# Altium PCB smart-ring-main.PcbDoc (part 2 of 6) (continued)
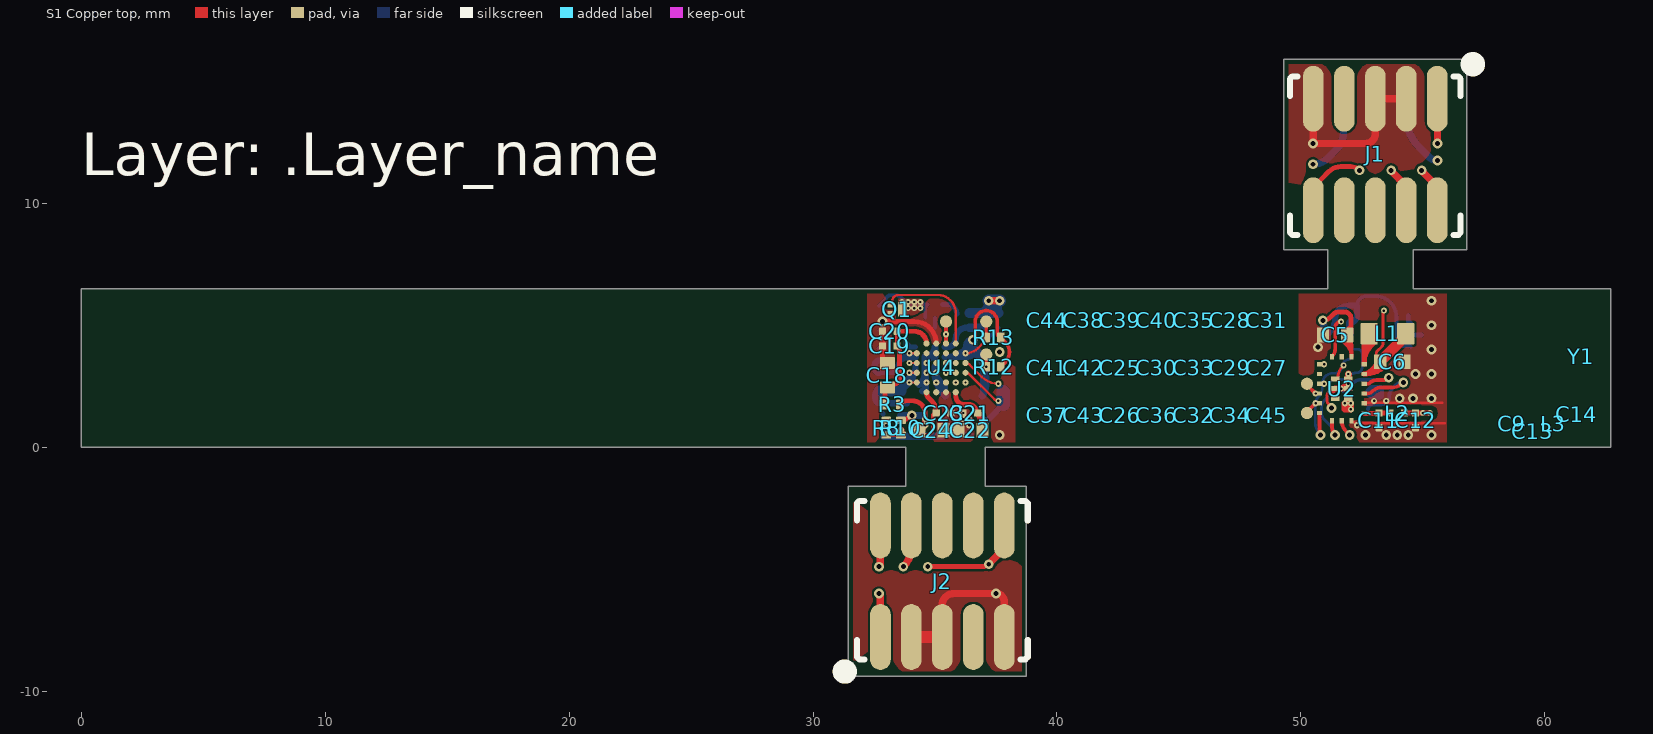
[diagram p0: S1 Copper top view]
## Nets (pads, with @x,y where several pads share a name; then routed paths per layer and width w, separated by ;. In a path a pad name is that pad's centre, name@x,y a point inside that pad or via, vN(x,y) a via of type N, cw(c..) or ccw(c..) an arc to the next point about the centre after c; other vN are vias at no path point) (continued)
; 14.199,4.5 14.399,4.7 ; 14.199,4.5 14.399,4.3 ; 14.199,5.3 14.399,5.1 ; 14.199,5.3 14.399,5.5 ; 14.199,5.7 14.399,5.5 ; 14.199,5.7 14.399,5.9 ; 14.4,0.7 14.6,0.9 ; 14.4,0.7 14.6,0.5 ; 14.4,1.1 14.6,0.9 ; 14.4,1.1 14.6,1.3 ; 14.4,1.5 14.6,1.7 ; 14.4,1.5 14.6,1.3 ; 14.399,1.9 14.599,2.1 ; 14.399,1.9 14.6,1.7 ; 14.399,2.3 14.599,2.1 ; 14.399,2.3 14.599,2.5 ; 14.399,2.7 14.599,2.9 ; 14.399,2.7 14.599,2.5 ; 14.399,3.1 14.599,2.9 ; 14.399,3.1 14.599,3.3 ; 14.399,3.5 14.599,3.7 ; 14.399,3.5 14.599,3.3 ; 14.399,3.9 14.599,4.1 ; 14.399,3.9 14.599,3.7 ; 14.399,4.3 14.599,4.5 ; 14.399,4.3 14.599,4.1 ; 14.399,4.7 14.599,4.5 ; 14.399,4.7 14.599,4.9 ; 14.399,5.1 14.599,5.3 ; 14.399,5.1 14.599,4.9 ; 14.399,5.5 14.599,5.7 ; 14.399,5.5 14.599,5.3 ; 14.399,5.9 14.599,5.7 ; 14.399,5.9 14.599,6.1 14.799,5.9 ; 14.6,0.5 14.8,0.7 ; 14.6,0.5 14.8,0.3 15,0.5 ; 14.6,0.9 14.8,1.1 ; 14.6,0.9 14.8,0.7 ; 14.6,1.3 14.8,1.1 ; 14.6,1.3 14.8,1.5 ; 14.6,1.7 14.8,1.9 ; 14.6,1.7 14.8,1.5 ; 14.599,2.1 14.799,2.3 ; 14.599,2.1 14.8,1.9 ; 14.599,2.5 14.799,2.7 ; 14.599,2.5 14.799,2.3 ; 14.599,2.9 14.799,3.1 ; 14.599,2.9 14.799,2.7 ; 14.599,3.3 14.799,3.1 ; 14.599,3.3 14.799,3.5 ; 14.599,3.7 14.799,3.9 ; 14.599,3.7 14.799,3.5 ; 14.599,4.1 14.799,3.9 ; 14.599,4.1 14.799,4.3 ; 14.599,4.5 14.799,4.3 ; 14.599,4.5 14.799,4.7 ; 14.599,4.9 14.8,5.1 ; 14.599,4.9 14.799,4.7 ; 14.599,5.3 14.799,5.5 ; 14.599,5.3 14.799,5.1 ; 14.599,5.7 14.799,5.5 ; 14.599,5.7 14.799,5.9 ; 14.8,0.7 15,0.9 ; 14.8,0.7 15,0.5 ; 14.8,1.1 15,0.9 ; 14.8,1.1 15,1.3 ; 14.8,1.5 15,1.7 ; 14.8,1.5 15,1.3 ; 14.8,1.9 15,2.1 ; 14.8,1.9 15,1.7 ; 14.799,2.3 14.999,2.5 ; 14.799,2.3 15,2.1 ; 14.799,2.7 14.999,2.9 ; 14.799,2.7 14.999,2.5 ; 14.799,3.1 14.999,3.3 ; 14.799,3.1 14.999,2.9 ; 14.799,3.5 14.999,3.7 ; 14.799,3.5 14.999,3.3 ; 14.799,3.9 14.999,4.1 ; 14.799,3.9 14.999,3.7 ; 14.799,4.3 14.999,4.1 ; 14.799,4.3 14.999,4.5 ; 14.799,4.7 14.999,4.5 ; 14.8,5.1 15,5.3 ; 14.8,5.5 15,5.3 ; 14.799,5.5 14.999,5.7 ; 14.799,5.9 14.999,5.7 ; 14.799,5.9 14.999,6.1 15.199,5.9 ; 15,0.5 15.2,0.7 ; 15,0.5 15.2,0.3 15.4,0.5 ; 15,0.9 15.2,1.1 ; 15,0.9 15.2,0.7 ; 15,1.3 15.2,1.1 ; 15,1.3 15.2,1.5 ; 15,1.7 15.2,1.9 ; 15,1.7 15.2,1.5 ; 15,2.1 15.2,2.3 ; 15,2.1 15.2,1.9 ; 14.999,2.5 15.2,2.3 ; 14.999,2.5 15.199,2.7 ; 14.999,2.9 15.199,3.1 ; 14.999,2.9 15.199,2.7 ; 14.999,3.3 15.199,3.5 ; 14.999,3.3 15.199,3.1 ; 14.999,3.7 15.199,3.9 ; 14.999,3.7 15.199,3.5 ; 14.999,4.1 15.199,4.3 ; 14.999,4.1 15.199,3.9 ; 14.999,4.5 15.199,4.3 ; 15,5.3 15.199,5.5 ; 14.999,5.7 15.199,5.5 ; 14.999,5.7 15.199,5.9 ; 15.2,0.7 15.4,0.9 ; 15.2,0.7 15.4,0.5 ; 15.2,1.1 15.4,0.9 ; 15.2,1.1 15.4,1.3 ; 15.2,1.5 15.4,1.7 ; 15.2,1.5 15.4,1.3 ; 15.2,1.9 15.4,2.1 ; 15.2,1.9 15.4,1.7 ; 15.2,2.3 15.4,2.5 ; 15.2,2.3 15.4,2.1 ; 15.199,2.7 15.4,2.5 ; 15.199,2.7 15.399,2.9 ; 15.199,3.1 15.399,2.9 ; 15.199,3.1 15.399,3.3 ; 15.199,3.5 15.399,3.7 ; 15.199,3.5 15.399,3.3 ; 15.199,3.9 15.399,4.1 ; 15.199,3.9 15.399,3.7 ; 15.199,4.3 15.399,4.1 ; 15.199,4.3 15.399,4.5 15.599,4.3 ; 15.199,5.5 15.399,5.7 ; 15.199,5.5 15.399,5.3 15.599,5.5 ; 15.199,5.9 15.399,5.7 ; 15.199,5.9 15.399,6.1 15.599,5.9 ; 15.4,0.5 15.6,0.7 ; 15.4,0.5 15.6,0.3 15.8,0.5 ; 15.4,0.9 15.6,1.1 ; 15.4,0.9 15.6,0.7 ; 15.4,1.3 15.6,1.1 ; 15.4,1.3 15.6,1.5 15.4,1.7 ; 15.4,1.7 15.6,1.9 ; 15.4,2.1 15.6,1.9 ; 15.4,2.1 15.6,2.3 ; 15.4,2.5 15.6,2.7 ; 15.4,2.5 15.6,2.3 ; 15.399,2.9 15.599,3.1 ; 15.399,2.9 15.6,2.7 ; 15.399,3.3 15.599,3.1 ; 15.399,3.3 15.599,3.5 ; 15.399,3.7 15.599,3.5 ; 15.399,3.7 15.599,3.9 ; 15.399,4.1 15.599,4.3 ; 15.399,4.1 15.599,3.9 ; 15.399,5.7 15.599,5.5 ; 15.399,5.7 15.599,5.9 ; 15.6,0.7 15.8,0.9 ; 15.6,0.7 15.8,0.5 ; 15.6,1.1 15.8,0.9 ; 15.6,1.9 15.8,2.1 ; 15.6,2.3 15.8,2.1 ; 15.6,2.3 15.8,2.5 ; 15.6,2.7 15.8,2.9 ; 15.6,2.7 15.8,2.5 ; 15.599,3.1 15.8,2.9 ; 15.599,3.1 15.799,3.3 ; 15.599,3.5 15.799,3.7 ; 15.599,3.5 15.799,3.3 ; 15.599,3.9 15.799,4.1 ; 15.599,3.9 15.799,3.7 ; 15.599,4.3 15.799,4.1 ; 15.599,4.3 15.799,4.5 ; 15.599,5.5 15.799,5.7 ; 15.599,5.5 15.799,5.3 ; 15.599,5.9 15.799,5.7 ; 15.599,5.9 15.799,6.1 15.999,5.9 ; 15.8,0.5 15.999,0.3 16.2,0.5 ; 15.8,0.5 16,0.7 ; 15.8,0.9 16,0.7 ; 15.8,2.1 16,1.9 16.2,2.1 ; 15.8,2.1 16,2.3 ; 15.8,2.5 16,2.3 ; 15.8,2.5 16,2.7 ; 15.8,2.9 16,3.1 ; 15.8,2.9 16,2.7 ; 15.799,3.3 16,3.1 ; 15.799,3.3 15.999,3.5 ; 15.799,3.7 15.999,3.9 ; 15.799,3.7 15.999,3.5 ; 15.799,4.1 15.999,4.3 ; 15.799,4.1 15.999,3.9 ; 15.799,4.5 15.999,4.3 ; 15.799,4.5 15.999,4.7 ; 15.799,5.3 15.999,5.1 ; 15.799,5.3 15.999,5.5 ; 15.799,5.7 15.999,5.5 ; 15.799,5.7 15.999,5.9 ; 16,0.7 16.2,0.5 ; 16,0.7 16.2,0.9 ; 16,2.3 16.2,2.1 ; 16,2.3 16.2,2.5 ; 16,2.7 16.2,2.9 ; 16,2.7 16.2,2.5 ; 16,3.1 16.2,2.9 ; 16,3.1 16.2,3.3 ; 16,3.5 16.2,3.7 ; 16,3.5 16.2,3.3 ; 16,3.9 16.2,4.1 ; 16,3.9 16.2,3.7 ; 16,4.3 16.2,4.1 ; 16,4.3 16.2,4.5 ; 15.999,4.7 15.799,4.9 15.999,5.1 ; 16,4.7 16.2,4.9 ; 16,4.7 16.2,4.5 ; 16,5.1 16.2,4.9 ; 16,5.1 16.2,5.3 ; 16,5.5 16.2,5.7 ; 16,5.5 16.2,5.3 ; 16,5.9 16.199,6.1 16.4,5.9 ; 16,5.9 16.2,5.7 ; 16.2,0.5 16.4,0.7 ; 16.2,0.5 16.4,0.3 16.6,0.5 ; 16.2,0.9 16.4,1.1 ; 16.2,0.9 16.4,0.7 ; 16.2,2.1 16.4,1.9 ; 16.2,2.1 16.4,2.3 ; 16.2,2.5 16.4,2.3 ; 16.2,2.5 16.4,2.7 ; 16.2,2.9 16.4,3.1 ; 16.2,2.9 16.4,2.7 ; 16.2,3.3 16.4,3.1 ; 16.2,3.3 16.4,3.5 ; 16.2,3.7 16.4,3.5 ; 16.2,3.7 16.4,3.9 ; 16.2,4.1 16.4,4.3 ; 16.2,4.1 16.4,3.9 ; 16.2,4.5 16.4,4.7 ; 16.2,4.5 16.4,4.3 ; 16.2,4.9 16.4,5.1 ; 16.2,4.9 16.4,4.7 ; 16.2,5.3 16.4,5.1 ; 16.2,5.3 16.4,5.5 ; 16.2,5.7 16.4,5.9 ; 16.2,5.7 16.4,5.5 ; 16.4,0.7 16.6,0.9 ; 16.4,0.7 16.6,0.5 ; 16.4,1.1 16.6,0.9 ; 16.4,1.1 16.6,1.3 ; 16.4,1.9 16.6,1.7 ; 16.4,1.9 16.6,2.1 ; 16.4,2.3 16.6,2.1 ; 16.4,2.3 16.6,2.5 ; 16.4,2.7 16.6,2.9 ; 16.4,2.7 16.6,2.5 ; 16.4,3.1 16.6,2.9 ; 16.4,3.1 16.6,3.3 ; 16.4,3.5 16.6,3.7 ; 16.4,3.5 16.6,3.3 ; 16.4,3.9 16.6,4.1 ; 16.4,3.9 16.6,3.7 ; 16.4,4.3 16.6,4.5 ; 16.4,4.3 16.6,4.1 ; 16.4,4.7 16.6,4.9 ; 16.4,4.7 16.6,4.5 ; 16.4,5.1 16.6,4.9 ; 16.4,5.1 16.6,5.3 ; 16.4,5.5 16.6,5.7 ; 16.4,5.5 16.6,5.3 ; 16.4,5.9 16.6,5.7 ; 16.4,5.9 16.6,6.1 16.8,5.9 ; 16.6,0.5 16.8,0.7 ; 16.6,0.5 16.8,0.3 17,0.5 ; 16.6,0.9 16.8,1.1 ; 16.6,0.9 16.8,0.7 ; 16.6,1.3 16.4,1.5 16.6,1.7 ; 16.6,1.3 16.8,1.1 ; 16.6,1.3 16.8,1.5 ; 16.6,1.7 16.8,1.9 ; 16.6,1.7 16.8,1.5 ; 16.6,2.1 16.8,1.9 ; 16.6,2.1 16.8,2.3 ; 16.6,2.5 16.8,2.7 ; 16.6,2.5 16.8,2.3 ; 16.6,2.9 16.8,3.1 ; 16.6,2.9 16.8,2.7 ; 16.6,3.3 16.8,3.1 ; 16.6,3.3 16.8,3.5 ; 16.6,3.7 16.8,3.9 ; 16.6,3.7 16.8,3.5 ; 16.6,4.1 16.8,3.9 ; 16.6,4.1 16.8,4.3 ; 16.6,4.5 16.8,4.7 ; 16.6,4.5 16.8,4.3 ; 16.6,4.9 16.8,5.1 ; 16.6,4.9 16.8,4.7 ; 16.6,5.3 16.8,5.1 ; 16.6,5.3 16.8,5.5 ; 16.6,5.7 16.8,5.5 ; 16.6,5.7 16.8,5.9 ; 16.8,0.7 17,0.9 ; 16.8,0.7 17,0.5 ; 16.8,1.1 17,0.9 ; 16.8,1.1 17,1.3 ; 16.8,1.5 17,1.7 ; 16.8,1.5 17,1.3 ; 16.8,1.9 17,2.1 ; 16.8,1.9 17,1.7 ; 16.8,2.3 17,2.5 ; 16.8,2.3 17,2.1 ; 16.8,2.7 17,2.9 ; 16.8,2.7 17,2.5 ; 16.8,3.1 17,2.9 ; 16.8,3.1 17,3.3 ; 16.8,3.5 17,3.7 ; 16.8,3.5 17,3.3 ; 16.8,3.9 17,4.1 ; 16.8,3.9 17,3.7 ; 16.8,4.3 17,4.1 ; 16.8,4.3 17,4.5 ; 16.8,4.7 17,4.9 16.8,5.1 ; 16.8,4.7 17,4.5 ; 16.8,5.1 17,5.3 ; 16.8,5.5 17,5.7 ; 16.8,5.5 17,5.3 ; 16.8,5.9 17,5.7 ; 16.8,5.9 17,6.1 17.2,5.9 ; 17,0.5 17.2,0.7 ; 17,0.5 17.2,0.3 17.4,0.5 ; 17,0.9 17.2,1.1 ; 17,0.9 17.2,0.7 ; 17,1.3 17.2,1.1 ; 17,1.3 17.2,1.5 ; 17,1.7 17.2,1.9 ; 17,1.7 17.2,1.5 ; 17,2.1 17.2,2.3 ; 17,2.1 17.2,1.9 ; 17,2.5 17.2,2.7 ; 17,2.5 17.2,2.3 ; 17,2.9 17.2,2.7 ; 17,2.9 17.2,3.1 ; 17,3.3 17.2,3.1 ; 17,3.3 17.2,3.5 ; 17,3.7 17.2,3.9 ; 17,3.7 17.2,3.5 ; 17,4.1 17.2,3.9 ; 17,4.1 17.2,4.3 ; 17,4.5 17.2,4.3 ; 17,5.3 17.2,5.5 ; 17,5.7 17.2,5.5 ; 17,5.7 17.2,5.9 ; 17.2,0.7 17.4,0.9 ; 17.2,0.7 17.4,0.5 ; 17.2,1.1 17.4,0.9 ; 17.2,1.1 17.4,1.3 ; 17.2,1.5 17.4,1.7 ; 17.2,1.5 17.4,1.3 ; 17.2,1.9 17.4,2.1 ; 17.2,1.9 17.4,1.7 ; 17.2,2.3 17.4,2.1 ; 17.2,2.3 17.4,2.5 ; 17.2,2.7 17.4,2.9 ; 17.2,2.7 17.4,2.5 ; 17.2,3.1 17.4,2.9 ; 17.2,3.1 17.4,3.3 ; 17.2,3.5 17.4,3.7 ; 17.2,3.5 17.4,3.3 ; 17.2,3.9 17.4,4.1 ; 17.2,3.9 17.4,3.7 ; 17.2,4.3 17.4,4.5 17.6,4.3 ; 17.2,4.3 17.4,4.1 ; 17.2,5.5 17.4,5.7 ; 17.2,5.5 17.4,5.3 17.6,5.5 ; 17.2,5.9 17.4,5.7 ; 17.2,5.9 17.4,6.1 17.6,5.9 ; 17.4,0.5 17.6,0.7 ; 17.4,0.5 17.6,0.3 17.8,0.5 ; 17.4,0.9 17.6,1.1 ; 17.4,0.9 17.6,0.7 ; 17.4,1.3 17.6,1.1 ; 17.4,1.3 17.6,1.5 ; 17.4,1.7 17.6,1.9 ; 17.4,1.7 17.6,1.5 ; 17.4,2.1 17.6,1.9 ; 17.4,2.1 17.6,2.3 ; 17.4,2.5 17.6,2.3 ; 17.4,2.5 17.6,2.7 ; 17.4,2.9 17.6,3.1 ; 17.4,2.9 17.6,2.7 ; 17.4,3.3 17.6,3.1 ; 17.4,3.3 17.6,3.5 ; 17.4,3.7 17.6,3.5 ; 17.4,3.7 17.6,3.9 ; 17.4,4.1 17.6,4.3 ; 17.4,4.1 17.6,3.9 ; 17.4,5.7 17.6,5.5 ; 17.4,5.7 17.6,5.9 ; 17.6,0.7 17.8,0.9 ; 17.6,0.7 17.8,0.5 ; 17.6,1.1 17.8,0.9 ; 17.6,1.1 17.8,1.3 ; 17.6,1.5 17.8,1.7 ; 17.6,1.5 17.8,1.3 ; 17.6,1.9 17.8,2.1 ; 17.6,1.9 17.8,1.7 ; 17.6,2.3 17.8,2.1 ; 17.6,2.3 17.8,2.5 ; 17.6,2.7 17.8,2.9 ; 17.6,2.7 17.8,2.5 ; 17.6,3.1 17.8,2.9 ; 17.6,3.1 17.8,3.3 ; 17.6,3.5 17.8,3.7 ; 17.6,3.5 17.8,3.3 ; 17.6,3.9 17.8,4.1 ; 17.6,3.9 17.8,3.7 ; 17.6,4.3 17.8,4.5 ; 17.6,4.3 17.8,4.1 ; 17.6,5.5 17.8,5.7 ; 17.6,5.5 17.8,5.3 ; 17.6,5.9 17.8,5.7 ; 17.6,5.9 17.8,6.1 18,5.9 ; 17.8,0.5 18,0.7 ; 17.8,0.5 18,0.3 18.2,0.5 ; 17.8,0.9 18,1.1 ; 17.8,0.9 18,0.7 ; 17.8,1.3 18,1.1 ; 17.8,1.3 18,1.5 ; 17.8,1.7 18,1.9 ; 17.8,1.7 18,1.5 ; 17.8,2.1 18,2.3 ; 17.8,2.1 18,1.9 ; 17.8,2.5 18,2.7 ; 17.8,2.5 18,2.3 ; 17.8,2.9 18,3.1 ; 17.8,2.9 18,2.7 ; 17.8,3.3 18,3.1 ; 17.8,3.3 18,3.5 ; 17.8,3.7 18,3.9 ; 17.8,3.7 18,3.5 ; 17.8,4.1 18,4.3 ; 17.8,4.1 18,3.9 ; 17.8,4.5 18,4.3 ; 17.8,4.5 18,4.7 ; 17.8,5.3 18,5.5 ; 17.8,5.3 18,5.1 ; 17.8,5.7 18,5.5 ; 17.8,5.7 18,5.9 ; 18,0.7 18.2,0.9 ; 18,0.7 18.2,0.5 ; 18,1.1 18.2,0.9 ; 18,1.1 18.2,1.3 ; 18,1.5 18.2,1.7 ; 18,1.5 18.2,1.3 ; 18,1.9 18.2,2.1 ; 18,1.9 18.2,1.7 ; 18,2.3 18.2,2.5 ; 18,2.3 18.2,2.1 ; 18,2.7 18.2,2.9 ; 18,2.7 18.2,2.5 ; 18,3.1 18.2,3.3 ; 18,3.1 18.2,2.9 ; 18,3.5 18.2,3.7 ; 18,3.5 18.2,3.3 ; 18,3.9 18.2,4.1 ; 18,3.9 18.2,3.7 ; 18,4.3 18.2,4.5 ; 18,4.3 18.2,4.1 ; 18,4.7 18.2,4.9 ; 18,4.7 17.8,4.9 18,5.1 ; 18,4.7 18.2,4.5 ; 18,5.1 18.2,4.9 ; 18,5.1 18.2,5.3 ; 18,5.5 18.2,5.7 ; 18,5.5 18.2,5.3 ; 18,5.9 18.2,5.7 ; 18,5.9 18.2,6.1 18.4,5.9 ; 18.2,0.5 18.4,0.7 ; 18.2,0.5 18.4,0.3 18.6,0.5 ; 18.2,0.9 18.4,1.1 ; 18.2,0.9 18.4,0.7 ; 18.2,1.3 18.4,1.1 ; 18.2,1.3 18.4,1.5 ; 18.2,1.7 18.4,1.9 ; 18.2,1.7 18.4,1.5 ; 18.2,2.1 18.4,2.3 ; 18.2,2.1 18.4,1.9 ; 18.2,2.5 18.4,2.3 ; 18.2,2.5 18.4,2.7 ; 18.2,2.9 18.4,3.1 ; 18.2,2.9 18.4,2.7 ; 18.2,3.3 18.4,3.5 ; 18.2,3.3 18.4,3.1 ; 18.2,3.7 18.4,3.9 ; 18.2,3.7 18.4,3.5 ; 18.2,4.1 18.4,3.9 ; 18.2,4.1 18.4,4.3 ; 18.2,4.5 18.4,4.7 ; 18.2,4.5 18.4,4.3 ; 18.2,4.9 18.4,5.1 ; 18.2,4.9 18.4,4.7 ; 18.2,5.3 18.4,5.1 ; 18.2,5.3 18.4,5.5 ; 18.2,5.7 18.4,5.9 ; 18.2,5.7 18.4,5.5 ; 18.4,0.7 18.6,0.9 ; 18.4,0.7 18.6,0.5 ; 18.4,1.1 18.6,0.9 ; 18.4,1.1 18.6,1.3 ; 18.4,1.5 18.6,1.7 ; 18.4,1.5 18.6,1.3 ; 18.4,1.9 18.6,2.1 ; 18.4,1.9 18.6,1.7 ; 18.4,2.3 18.6,2.5 ; 18.4,2.3 18.6,2.1 ; 18.4,2.7 18.6,2.5 ; 18.4,2.7 18.6,2.9 ; 18.4,3.1 18.6,2.9 ; 18.4,3.1 18.6,3.3 ; 18.4,3.5 18.6,3.7 ; 18.4,3.5 18.6,3.3 ; 18.4,3.9 18.6,4.1 ; 18.4,3.9 18.6,3.7 ; 18.4,4.3 18.6,4.1 ; 18.4,4.3 18.6,4.5 ; 18.4,4.7 18.6,4.5 ; 18.4,5.1 18.6,5.3 ; 18.4,5.5 18.6,5.7 ; 18.4,5.5 18.6,5.3 ; 18.4,5.9 18.599,6.1 18.8,5.9 ; 18.4,5.9 18.6,5.7 ; 18.6,0.5 18.8,0.7 ; 18.6,0.5 18.8,0.3 19,0.5 ; 18.6,0.9 18.8,1.1 ; 18.6,0.9 18.8,0.7 ; 18.6,1.3 18.8,1.1 ; 18.6,1.3 18.8,1.5 ; 18.6,1.7 18.8,1.9 ; 18.6,1.7 18.8,1.5 ; 18.6,2.1 18.8,1.9 ; 18.6,2.1 18.8,2.3 ; 18.6,2.5 18.8,2.7 ; 18.6,2.5 18.8,2.3 ; 18.6,2.9 18.8,3.1 ; 18.6,2.9 18.8,2.7 ; 18.6,3.3 18.8,3.1 ; 18.6,3.3 18.8,3.5 ; 18.6,3.7 18.8,3.5 ; 18.6,3.7 18.8,3.9 ; 18.6,4.1 18.8,4.3 ; 18.6,4.1 18.8,3.9 ; 18.6,4.5 18.8,4.3 ; 18.6,5.3 18.8,5.5 ; 18.6,5.7 18.8,5.9 ; 18.6,5.7 18.8,5.5 ; 18.8,0.7 19,0.9 ; 18.8,0.7 19,0.5 ; 18.8,1.1 19,0.9 ; 18.8,1.1 19,1.3 ; 18.8,1.5 19,1.7 ; 18.8,1.5 19,1.3 ; 18.8,1.9 19,1.7 ; 18.8,1.9 19,2.1 ; 18.8,2.3 19,2.1 ; 18.8,2.3 19,2.5 ; 18.8,2.7 19,2.9 ; 18.8,2.7 19,2.5 ; 18.8,3.1 19,2.9 ; 18.8,3.1 19,3.3 ; 18.8,3.5 19,3.7 ; 18.8,3.5 19,3.3 ; 18.8,3.9 19,4.1 ; 18.8,3.9 19,3.7 ; 18.8,4.3 18.843,4.343 ; 18.8,4.3 19,4.1 ; 18.8,5.5 19,5.7 ; 18.8,5.5 19,5.3 ; 18.8,5.9 19,6.1 19.2,5.9 19,5.7 ; 18.8,5.9 19,5.7 ; 18.843,4.343 19,4.5 ; 18.843,4.343 19,4.5 ; 19,0.5 19.2,0.3 19.4,0.5 ; 19,0.5 19.2,0.7 ; 19,0.9 19.2,1.1 ; 19,0.9 19.2,0.7 ; 19,1.3 19.2,1.1 ; 19,1.3 19.2,1.5 ; 19,1.7 19.2,1.9 ; 19,1.7 19.2,1.5 ; 19,2.1 19.2,1.9 ; 19,2.1 19.2,2.3 ; 19,2.5 19.2,2.3 ; 19,2.5 19.2,2.7 ; 19,2.9 19.2,3.1 ; 19,2.9 19.2,2.7 ; 19,3.3 19.2,3.1 ; 19,3.3 19.2,3.5 19,3.7 ; 19,3.7 19.2,3.9 19,4.1 ; 19,4.1 19.2,4.3 19,4.5 ; 19,4.5 19.2,4.7 ; 19,5.3 19.2,5.5 19,5.7 ; 19.2,0.7 19.4,0.5 ; 19.2,0.7 19.4,0.9 ; 19.2,1.1 19.4,0.9 ; 19.2,1.1 19.4,1.3 ; 19.2,1.5 19.4,1.7 ; 19.2,1.5 19.4,1.3 ; 19.2,1.9 19.4,1.7 ; 19.2,1.9 19.4,2.1 ; 19.2,2.3 19.4,2.1 ; 19.2,2.3 19.4,2.5 ; 19.2,2.7 19.4,2.9 ; 19.2,2.7 19.4,2.5 ; 19.2,3.1 19.4,2.9 ; 19.2,3.1 19.4,3.3 ; 19.2,4.7 19.4,4.9 ; 19.2,4.7 19.4,4.5 ; 19.4,0.5 19.6,0.7 ; 19.4,0.5 19.6,0.3 19.8,0.5 ; 19.4,0.9 19.6,1.1 ; 19.4,0.9 19.6,0.7 ; 19.4,1.3 19.6,1.1 ; 19.4,1.3 19.6,1.5 ; 19.4,1.7 19.6,1.9 ; 19.4,1.7 19.6,1.5 ; 19.4,2.1 19.6,1.9 ; 19.4,2.1 19.6,2.3 ; 19.4,2.5 19.6,2.3 ; 19.4,2.5 19.6,2.7 ; 19.4,2.9 19.6,3.1 ; 19.4,2.9 19.6,2.7 ; 19.4,3.3 19.6,3.1 ; 19.4,3.3 19.2,3.5 19.4,3.7 ; 19.4,3.3 19.6,3.5 ; 19.4,3.7 19.2,3.9 19.4,4.1 ; 19.4,3.7 19.6,3.5 ; 19.4,3.7 19.6,3.9 ; 19.4,4.1 19.2,4.3 19.4,4.5 ; 19.4,4.1 19.6,4.3 ; 19.4,4.1 19.6,3.9 ; 19.4,4.5 19.6,4.7 ; 19.4,4.5 19.6,4.3 ; 19.4,4.9 19.6,5.1 ; 19.4,4.9 19.2,5.1 19.4,5.3 ; 19.4,4.9 19.6,4.7 ; 19.4,5.3 19.6,5.1 ; 19.4,5.3 19.6,5.5 ; 19.4,5.3 19.2,5.5 19.4,5.7 ; 19.4,5.7 19.2,5.9 19.4,6.1 19.6,5.9 ; 19.4,5.7 19.6,5.9 ; 19.4,5.7 19.6,5.5 ; 19.6,0.7 19.8,0.9 ; 19.6,0.7 19.8,0.5 ; 19.6,1.1 19.8,0.9 ; 19.6,1.1 19.8,1.3 ; 19.6,1.5 19.8,1.7 ; 19.6,1.5 19.8,1.3 ; 19.6,1.9 19.8,1.7 ; 19.6,1.9 19.8,2.1 ; 19.6,2.3 19.8,2.1 ; 19.6,2.3 19.8,2.5 ; 19.6,2.7 19.8,2.9 ; 19.6,2.7 19.8,2.5 ; 19.6,3.1 19.8,2.9 ; 19.6,3.1 19.8,3.3 ; 19.6,3.5 19.8,3.7 ; 19.6,3.5 19.8,3.3 ; 19.6,3.9 19.8,4.1 ; 19.6,3.9 19.8,3.7 ; 19.6,4.3 19.8,4.5 ; 19.6,4.3 19.8,4.1 ; 19.6,4.7 19.8,4.9 19.6,5.1 ; 19.6,4.7 19.8,4.5 ; 19.6,5.1 19.8,5.3 ; 19.6,5.5 19.8,5.7 ; 19.6,5.5 19.8,5.3 ; 19.6,5.9 19.8,5.7 ; 19.6,5.9 19.8,6.1 20,5.9 ; 19.8,0.5 20,0.7 ; 19.8,0.5 20,0.3 20.2,0.5 ; 19.8,0.9 20,1.1 ; 19.8,0.9 20,0.7 ; 19.8,1.3 20,1.1 ; 19.8,1.3 20,1.5 ; 19.8,1.7 20,1.9 ; 19.8,1.7 20,1.5 ; 19.8,2.1 20,1.9 ; 19.8,2.1 20,2.3 ; 19.8,2.5 20,2.7 ; 19.8,2.5 20,2.3 ; 19.8,2.9 20,3.1 ; 19.8,2.9 20,2.7 ; 19.8,3.3 20,3.1 ; 19.8,3.3 20,3.5 ; 19.8,3.7 20,3.9 ; 19.8,3.7 20,3.5 ; 19.8,4.1 20,3.9 ; 19.8,4.1 20,4.3 ; 19.8,4.5 20,4.3 ; 19.8,5.3 20,5.5 ; 19.8,5.7 20,5.5 ; 19.8,5.7 20,5.9 ; 20,1.1 20.2,0.9 ; 20,1.1 20.2,1.3 ; 20,1.5 20.2,1.7 ; 20,1.5 20.2,1.3 ; 20,1.9 20.2,2.1 ; 20,1.9 20.2,1.7 ; 20,2.3 20.2,2.5 ; 20,2.3 20.2,2.1 ; 20,2.7 20.2,2.9 ; 20,2.7 20.2,2.5 ; 20,3.1 20.2,2.9 ; 20,3.1 20.2,3.3 ; 20,3.5 20.2,3.7 ; 20,3.5 20.2,3.3 ; 20,3.9 20.2,4.1 ; 20,3.9 20.2,3.7 ; 20,4.3 20.2,4.1 ; 20,4.3 20.2,4.5 20.4,4.3 ; 20,5.5 20.2,5.7 ; 20,5.5 20.2,5.3 20.4,5.5 ; 20,5.9 20.2,5.7 ; 20,5.9 20.2,6.1 20.4,5.9 ; 20,0.7 20.2,0.9 ; 20,0.7 20.2,0.5 ; 20.2,0.5 20.4,0.7 ; 20.2,0.5 20.4,0.3 20.6,0.5 ; 20.2,0.9 20.4,1.1 ; 20.2,0.9 20.4,0.7 ; 20.2,1.3 20.4,1.1 ; 20.2,1.3 20.4,1.5 ; 20.2,1.7 20.4,1.9 ; 20.2,1.7 20.4,1.5 ; 20.2,2.1 20.4,2.3 ; 20.2,2.1 20.4,1.9 ; 20.2,2.5 20.4,2.7 ; 20.2,2.5 20.4,2.3 ; 20.2,2.9 20.4,2.7 ; 20.2,2.9 20.4,3.1 ; 20.2,3.3 20.4,3.1 ; 20.2,3.3 20.4,3.5 ; 20.2,3.7 20.4,3.9 ; 20.2,3.7 20.4,3.5 ; 20.2,4.1 20.4,4.3 ; 20.2,4.1 20.4,3.9 ; 20.2,5.7 20.4,5.5 ; 20.2,5.7 20.4,5.9 ; 20.4,1.5 20.6,1.7 ; 20.4,1.9 20.6,2.1 ; 20.4,1.9 20.6,1.7 ; 20.4,2.3 20.6,2.1 ; 20.4,2.3 20.6,2.5 ; 20.4,2.7 20.6,2.9 ; 20.4,2.7 20.6,2.5 ; 20.4,3.1 20.6,2.9 ; 20.4,3.1 20.6,3.3 ; 20.4,3.5 20.6,3.7 ; 20.4,3.5 20.6,3.3 ; 20.4,3.9 20.6,4.1 ; 20.4,3.9 20.6,3.7 ; 20.4,4.3 20.6,4.1 ; 20.4,4.3 20.6,4.5 ; 20.4,5.5 20.6,5.7 ; 20.4,5.5 20.6,5.3 ; 20.4,5.9 20.6,5.7 ; 20.4,5.9 20.6,6.1 20.8,5.9 ; 20.4,0.7 20.6,0.9 ; 20.4,0.7 20.6,0.5 ; 20.4,1.1 20.6,0.9 ; 20.6,0.5 20.8,0.7 ; 20.6,0.5 20.8,0.3 21,0.5 ; 20.6,0.9 20.8,0.7 ; 20.6,1.7 20.8,1.9 ; 20.6,2.1 20.8,1.9 ; 20.6,2.1 20.8,2.3 ; 20.6,2.5 20.8,2.3 ; 20.6,2.5 20.8,2.7 ; 20.6,2.9 20.8,3.1 ; 20.6,2.9 20.8,2.7 ; 20.6,3.3 20.8,3.1 ; 20.6,3.3 20.8,3.5 ; 20.6,3.7 20.8,3.5 ; 20.6,3.7 20.8,3.9 ; 20.6,4.1 20.8,4.3 ; 20.6,4.1 20.8,3.9 ; 20.6,4.5 20.8,4.7 ; 20.6,4.5 20.8,4.3 ; 20.6,5.3 20.8,5.1 ; 20.6,5.3 20.8,5.5 ; 20.6,5.7 20.8,5.5 ; 20.6,5.7 20.8,5.9 ; 20.8,0.7 21,0.9 ; 20.8,0.7 21,0.5 ; 20.8,1.9 21,2.1 ; 20.8,2.3 21,2.1 ; 20.8,2.3 21,2.5 ; 20.8,2.7 21,2.9 ; 20.8,2.7 21,2.5 ; 20.8,3.1 21,2.9 ; 20.8,3.1 21,3.3 ; 20.8,3.5 21,3.7 ; 20.8,3.5 21,3.3 ; 20.8,3.9 21,4.1 ; 20.8,3.9 21,3.7 ; 20.8,4.3 21,4.5 ; 20.8,4.3 21,4.1 ; 20.8,4.7 20.6,4.9 20.8,5.1 ; 20.8,4.7 21,4.5 ; 20.8,4.7 21,4.9 ; 20.8,5.1 21,5.3 ; 20.8,5.1 21,4.9 ; 20.8,5.5 21,5.7 ; 20.8,5.5 21,5.3 ; 20.8,5.9 21,5.7 ; 20.8,5.9 21,6.1 21.2,5.9 ; 21,0.5 21.2,0.7 ; 21,0.5 21.2,0.3 21.4,0.5 ; 21,0.9 21.2,1.1 ; 21,0.9 21.2,0.7 ; 21,2.1 21.2,2.3 ; 21,2.1 21.2,1.9 ; 21,2.5 21.2,2.7 ; 21,2.5 21.2,2.3 ; 21,2.9 21.2,3.1 ; 21,2.9 21.2,2.7 ; 21,3.3 21.2,3.1 ; 21,3.3 21.2,3.5 ; 21,3.7 21.2,3.9 ; 21,3.7 21.2,3.5 ; 21,4.1 21.2,4.3 ; 21,4.1 21.2,3.9 ; 21,4.5 21.2,4.3 ; 21,4.5 21.2,4.7 ; 21,4.9 21.2,5.1 ; 21,4.9 21.2,4.7 ; 21,5.3 21.2,5.1 ; 21,5.3 21.2,5.5 ; 21,5.7 21.2,5.5 ; 21,5.7 21.2,5.9 ; 21.2,0.7 21.3,0.6 ; 21.2,0.7 21.4,0.9 ; 21.2,0.7 21.3,0.6 ; 21.2,1.1 21.4,1.3 ; 21.2,1.1 21.4,0.9 ; 21.2,1.9 21.4,2.1 ; 21.2,1.9 21.4,1.7 ; 21.2,2.3 21.4,2.5 ; 21.2,2.3 21.4,2.1 ; 21.2,2.7 21.4,2.9 ; 21.2,2.7 21.4,2.5 ; 21.2,3.1 21.4,3.3 ; 21.2,3.1 21.4,2.9 ; 21.2,3.5 21.4,3.7 ; 21.2,3.5 21.4,3.3 ; 21.2,3.9 21.4,4.1 ; 21.2,3.9 21.4,3.7 ; 21.2,4.3 21.4,4.5 ; 21.2,4.3 21.4,4.1 ; 21.2,4.7 21.4,4.9 ; 21.2,4.7 21.4,4.5 ; 21.2,5.1 21.4,4.9 ; 21.2,5.1 21.4,5.3 ; 21.2,5.5 21.4,5.3 ; 21.2,5.5 21.4,5.7 ; 21.2,5.9 21.4,5.7 ; 21.2,5.9 21.4,6.1 21.6,5.9 ; 21.3,0.6 21.4,0.5 ; 21.4,0.5 21.6,0.7 ; 21.4,0.5 21.6,0.3 21.8,0.5 ; 21.4,0.9 21.5,0.8 ; 21.4,0.9 21.6,1.1 ; 21.4,0.9 21.5,0.8 ; 21.4,1.3 21.6,1.1 ; 21.4,1.3 21.6,1.5 ; 21.4,1.7 21.6,1.9 ; 21.4,1.7 21.6,1.5 ; 21.4,2.1 21.6,2.3 ; 21.4,2.1 21.6,1.9 ; 21.4,2.5 21.6,2.3 ; 21.4,2.5 21.6,2.7 ; 21.4,2.9 21.6,3.1 ; 21.4,2.9 21.6,2.7 ; 21.4,3.3 21.6,3.5 ; 21.4,3.3 21.6,3.1 ; 21.4,3.7 21.6,3.9 ; 21.4,3.7 21.6,3.5 ; 21.4,4.1 21.6,4.3 ; 21.4,4.1 21.6,3.9 ; 21.4,4.5 21.6,4.3 ; 21.4,4.5 21.6,4.7 ; 21.4,4.9 21.6,5.1 ; 21.4,4.9 21.6,4.7 ; 21.4,5.3 21.6,5.1 ; 21.4,5.3 21.6,5.5 ; 21.4,5.7 21.6,5.5 ; 21.4,5.7 21.6,5.9 ; 21.5,0.8 21.6,0.7 ; 21.6,0.7 21.8,0.9 ; 21.6,0.7 21.8,0.5 ; 21.6,1.1 21.8,0.9 ; 21.6,1.1 21.8,1.3 ; 21.6,1.5 21.8,1.7 ; 21.6,1.5 21.8,1.3 ; 21.6,1.9 21.8,2.1 ; 21.6,1.9 21.8,1.7 ; 21.6,2.3 21.8,2.5 ; 21.6,2.3 21.8,2.1 ; 21.6,2.7 21.8,2.5 ; 21.6,2.7 21.8,2.9 ; 21.6,3.1 21.8,2.9 ; 21.6,3.1 21.8,3.3 ; 21.6,3.5 21.8,3.7 ; 21.6,3.5 21.8,3.3 ; 21.6,3.9 21.8,4.1 ; 21.6,3.9 21.8,3.7 ; 21.6,4.3 21.8,4.1 ; 21.6,4.3 21.8,4.5 ; 21.6,4.7 21.8,4.5 ; 21.6,4.7 21.8,4.9 21.6,5.1 ; 21.6,5.1 21.8,5.3 ; 21.6,5.5 21.8,5.3 ; 21.6,5.5 21.8,5.7 ; 21.6,5.9 21.8,5.7 ; 21.6,5.9 21.8,6.1 22,5.9 ; 21.8,0.5 22,0.7 ; 21.8,0.5 22,0.3 22.2,0.5 ; 21.8,0.9 22,1.1 ; 21.8,0.9 22,0.7 ; 21.8,1.3 22,1.1 ; 21.8,1.3 22,1.5 ; 21.8,1.7 22,1.9 ; 21.8,1.7 22,1.5 ; 21.8,2.1 22,1.9 ; 21.8,2.1 22,2.3 ; 21.8,2.5 22,2.7 ; 21.8,2.5 22,2.3 ; 21.8,2.9 22,3.1 ; 21.8,2.9 22,2.7 ; 21.8,3.3 22,3.1 ; 21.8,3.3 22,3.5 ; 21.8,3.7 22,3.5 ; 21.8,3.7 22,3.9 ; 21.8,4.1 22,4.3 ; 21.8,4.1 22,3.9 ; 21.8,4.5 22,4.3 ; 21.8,5.3 22,5.5 ; 21.8,5.7 22,5.5 ; 21.8,5.7 22,5.9 ; 22,0.7 22.2,0.9 ; 22,0.7 22.2,0.5 ; 22,1.1 22.2,0.9 ; 22,1.1 22.2,1.3 ; 22,1.5 22.2,1.7 ; 22,1.5 22.2,1.3 ; 22,1.9 22.2,1.7 ; 22,1.9 22.2,2.1 ; 22,2.3 22.2,2.1 ; 22,2.3 22.2,2.5 ; 22,2.7 22.2,2.9 ; 22,2.7 22.2,2.5 ; 22,3.1 22.2,2.9 ; 22,3.1 22.2,3.3 ; 22,3.5 22.2,3.7 ; 22,3.5 22.2,3.3 ; 22,3.9 22.2,4.1 ; 22,3.9 22.2,3.7 ; 22,4.3 22.2,4.1 ; 22,4.3 22.2,4.5 22.4,4.3 ; 22,5.5 22.2,5.7 ; 22,5.5 22.2,5.3 22.4,5.5 ; 22,5.9 22.2,5.7 ; 22,5.9 22.2,6.1 22.4,5.9 ; 22.2,0.5 22.4,0.3 22.6,0.5 ; 22.2,0.5 22.4,0.7 ; 22.2,0.9 22.4,1.1 ; 22.2,0.9 22.4,0.7 ; 22.2,1.3 22.4,1.1 ; 22.2,1.3 22.4,1.5 ; 22.2,1.7 22.4,1.9 ; 22.2,1.7 22.4,1.5 ; 22.2,2.1 22.4,1.9 ; 22.2,2.1 22.4,2.3 ; 22.2,2.5 22.4,2.3 ; 22.2,2.5 22.4,2.7 ; 22.2,2.9 22.4,3.1 ; 22.2,2.9 22.4,2.7 ; 22.2,3.3 22.4,3.1 ; 22.2,3.3 22.4,3.5 ; 22.2,3.7 22.4,3.9 ; 22.2,3.7 22.4,3.5 ; 22.2,4.1 22.4,4.3 ; 22.2,4.1 22.4,3.9 ; 22.2,5.7 22.4,5.5 ; 22.2,5.7 22.4,5.9 ; 22.4,0.7 22.6,0.5 ; 22.4,0.7 22.6,0.9 ; 22.4,1.1 22.6,0.9 ; 22.4,1.1 22.6,1.3 ; 22.4,1.5 22.6,1.7 ; 22.4,1.5 22.6,1.3 ; 22.4,1.9 22.6,1.7 ; 22.4,1.9 22.6,2.1 ; 22.4,2.3 22.6,2.1 ; 22.4,2.3 22.6,2.5 ; 22.4,2.7 22.6,2.9 ; 22.4,2.7 22.6,2.5 ; 22.4,3.1 22.6,2.9 ; 22.4,3.1 22.6,3.3 ; 22.4,3.5 22.6,3.7 ; 22.4,3.5 22.6,3.3 ; 22.4,3.9 22.6,4.1 ; 22.4,3.9 22.6,3.7 ; 22.4,4.3 22.6,4.1 ; 22.4,4.3 22.6,4.5 ; 22.4,5.5 22.6,5.7 ; 22.4,5.5 22.6,5.3 ; 22.4,5.9 22.6,6.1 22.8,5.9 ; 22.4,5.9 22.6,5.7 ; 22.6,0.5 22.8,0.7 ; 22.6,0.5 22.8,0.3 23,0.5 ; 22.6,0.9 22.8,1.1 ; 22.6,0.9 22.8,0.7 ; 22.6,1.3 22.8,1.1 ; 22.6,1.3 22.8,1.5 ; 22.6,1.7 22.8,1.9 ; 22.6,1.7 22.8,1.5 ; 22.6,2.1 22.8,1.9 ; 22.6,2.1 22.8,2.3 ; 22.6,2.5 22.8,2.3 ; 22.6,2.5 22.8,2.7 ; 22.6,2.9 22.8,3.1 ; 22.6,2.9 22.8,2.7 ; 22.6,3.3 22.8,3.1 ; 22.6,3.3 22.8,3.5 ; 22.6,3.7 22.8,3.5 ; 22.6,3.7 22.8,3.9 ; 22.6,4.1 22.8,4.3 ; 22.6,4.1 22.8,3.9 ; 22.6,4.5 22.8,4.7 ; 22.6,4.5 22.8,4.3 ; 22.6,5.3 22.8,5.1 ; 22.6,5.3 22.8,5.5 ; 22.6,5.7 22.8,5.9 ; 22.6,5.7 22.8,5.5 ; 22.8,0.7 23,0.9 ; 22.8,0.7 23,0.5 ; 22.8,1.1 23,0.9 ; 22.8,1.1 23,1.3 ; 22.8,1.5 23,1.7 ; 22.8,1.5 23,1.3 ; 22.8,1.9 23,1.7 ; 22.8,1.9 23,2.1 ; 22.8,2.3 23,2.1 ; 22.8,2.3 23,2.5 ; 22.8,2.7 23,2.9 ; 22.8,2.7 23,2.5 ; 22.8,3.1 23,2.9 ; 22.8,3.1 23,3.3 ; 22.8,3.5 23,3.7 ; 22.8,3.5 23,3.3 ; 22.8,3.9 23,4.1 ; 22.8,3.9 23,3.7 ; 22.8,4.3 23,4.5 ; 22.8,4.3 23,4.1 ; 22.8,4.7 23,4.9 ; 22.8,4.7 23,4.5 ; 22.8,5.1 23,4.9 ; 22.8,5.1 23,5.3 ; 22.8,5.5 23,5.7 ; 22.8,5.5 23,5.3 ; 22.8,5.9 23,5.7 ; 22.8,5.9 23,6.1 23.2,5.9 ; 23,0.5 23.2,0.7 ; 23,0.5 23.2,0.3 23.4,0.5 ; 23,0.9 23.2,1.1 ; 23,0.9 23.2,0.7 ; 23,1.3 23.2,1.1 ; 23,1.3 23.2,1.5 ; 23,1.7 23.2,1.9 ; 23,1.7 23.2,1.5 ; 23,2.1 23.2,1.9 ; 23,2.1 23.2,2.3 ; 23,2.5 23.2,2.7 ; 23,2.5 23.2,2.3 ; 23,2.9 23.2,3.1 ; 23,2.9 23.2,2.7 ; 23,3.3 23.2,3.1 ; 23,3.3 23.2,3.5 ; 23,3.7 23.2,3.9 ; 23,3.7 23.2,3.5 ; 23,4.1 23.2,3.9 ; 23,4.1 23.2,4.3 ; 23,4.5 23.2,4.7 ; 23,4.5 23.2,4.3 ; 23,4.9 23.2,5.1 ; 23,4.9 23.2,4.7 ; 23,5.3 23.2,5.1 ; 23,5.3 23.2,5.5 ; 23,5.7 23.2,5.5 ; 23,5.7 23.2,5.9 ; 23.2,0.7 23.4,0.9 ; 23.2,0.7 23.4,0.5 ; 23.2,1.1 23.4,0.9 ; 23.2,1.1 23.4,1.3 ; 23.2,1.5 23.4,1.7 ; 23.2,1.5 23.4,1.3 ; 23.2,1.9 23.4,2.1 ; 23.2,1.9 23.4,1.7 ; 23.2,2.3 23.4,2.5 ; 23.2,2.3 23.4,2.1 ; 23.2,2.7 23.4,2.9 ; 23.2,2.7 23.4,2.5 ; 23.2,3.1 23.4,2.9 ; 23.2,3.1 23.4,3.3 ; 23.2,3.5 23.4,3.7 ; 23.2,3.5 23.4,3.3 ; 23.2,3.9 23.4,4.1 ; 23.2,3.9 23.4,3.7 ; 23.2,4.3 23.4,4.1 ; 23.2,4.3 23.4,4.5 ; 23.2,4.7 23.4,4.5 ; 23.2,5.1 23.4,5.3 ; 23.2,5.5 23.4,5.7 ; 23.2,5.5 23.4,5.3 ; 23.2,5.9 23.4,5.7 ; 23.2,5.9 23.4,6.1 23.6,5.9 ; 23.4,0.5 23.6,0.7 ; 23.4,0.5 23.6,0.3 23.8,0.5 ; 23.4,0.9 23.6,1.1 ; 23.4,0.9 23.6,0.7 ; 23.4,1.3 23.6,1.1 ; 23.4,1.3 23.6,1.5 ; 23.4,1.7 23.6,1.9 ; 23.4,1.7 23.6,1.5 ; 23.4,2.1 23.6,2.3 ; 23.4,2.1 23.6,1.9 ; 23.4,2.5 23.6,2.7 ; 23.4,2.5 23.6,2.3 ; 23.4,2.9 23.6,2.7 ; 23.4,2.9 23.6,3.1 ; 23.4,3.3 23.6,3.1 ; 23.4,3.3 23.6,3.5 ; 23.4,3.7 23.6,3.9 ; 23.4,3.7 23.6,3.5 ; 23.4,4.1 23.6,3.9 ; 23.4,4.1 23.6,4.3 ; 23.4,4.5 23.6,4.3 ; 23.4,5.3 23.6,5.5 ; 23.4,5.7 23.6,5.5 ; 23.4,5.7 23.6,5.9 ; 23.6,0.7 23.8,0.9 ; 23.6,0.7 23.8,0.5 ; 23.6,1.1 23.8,0.9 ; 23.6,1.1 23.8,1.3 ; 23.6,1.5 23.8,1.7 ; 23.6,1.5 23.8,1.3 ; 23.6,1.9 23.8,2.1 ; 23.6,1.9 23.8,1.7 ; 23.6,2.3 23.8,2.1 ; 23.6,2.3 23.8,2.5 ; 23.6,2.7 23.8,2.9 ; 23.6,2.7 23.8,2.5 ; 23.6,3.1 23.8,2.9 ; 23.6,3.1 23.8,3.3 ; 23.6,3.5 23.8,3.7 ; 23.6,3.5 23.8,3.3 ; 23.6,3.9 23.8,4.1 ; 23.6,3.9 23.8,3.7 ; 23.6,4.3 23.8,4.5 24,4.3 ; 23.6,4.3 23.8,4.1 ; 23.6,5.5 23.8,5.3 24,5.5 ; 23.6,5.5 23.8,5.7 ; 23.6,5.9 23.8,5.7 ; 23.6,5.9 23.8,6.1 24,5.9 ; 23.8,0.5 24,0.7 ; 23.8,0.5 24,0.3 24.2,0.5 ; 23.8,0.9 24,1.1 ; 23.8,0.9 24,0.7 ; 23.8,1.3 24,1.1 ; 23.8,1.3 24,1.5 ; 23.8,1.7 24,1.9 ; 23.8,1.7 24,1.5 ; 23.8,2.1 24,1.9 ; 23.8,2.1 24,2.3 ; 23.8,2.5 24,2.3 ; 23.8,2.5 24,2.7 ; 23.8,2.9 24,3.1 ; 23.8,2.9 24,2.7 ; 23.8,3.3 24,3.1 ; 23.8,3.3 24,3.5 ; 23.8,3.7 24,3.5 ; 23.8,3.7 24,3.9 ; 23.8,4.1 24,4.3 ; 23.8,4.1 24,3.9 ; 23.8,5.7 24,5.5 ; 23.8,5.7 24,5.9 ; 24,0.7 24.2,0.9 ; 24,0.7 24.2,0.5 ; 24,1.1 24.2,0.9 ; 24,1.1 24.2,1.3 ; 24,1.5 24.2,1.7 ; 24,1.5 24.2,1.3 ; 24,1.9 24.2,2.1 ; 24,1.9 24.2,1.7 ; 24,2.3 24.2,2.1 ; 24,2.3 24.2,2.5 ; 24,2.7 24.2,2.9 ; 24,2.7 24.2,2.5 ; 24,3.1 24.2,2.9 ; 24,3.1 24.2,3.3 ; 24,3.5 24.2,3.7 ; 24,3.5 24.2,3.3 ; 24,3.9 24.2,4.1 ; 24,3.9 24.2,3.7 ; 24,4.3 24.2,4.5 ; 24,4.3 24.2,4.1 ; 24,5.5 24.2,5.7 ; 24,5.5 24.2,5.3 ; 24,5.9 24.2,5.7 ; 24,5.9 24.2,6.1 24.4,5.9 ; 24.2,0.5 24.4,0.7 ; 24.2,0.5 24.4,0.3 24.6,0.5 ; 24.2,0.9 24.4,1.1 ; 24.2,0.9 24.4,0.7 ; 24.2,1.3 24.4,1.1 ; 24.2,1.3 24.4,1.5 ; 24.2,1.7 24.4,1.9 ; 24.2,1.7 24.4,1.5 ; 24.2,2.1 24.4,2.3 ; 24.2,2.1 24.4,1.9 ; 24.2,2.5 24.4,2.7 ; 24.2,2.5 24.4,2.3 ; 24.2,2.9 24.4,3.1 ; 24.2,2.9 24.4,2.7 ; 24.2,3.3 24.4,3.1 ; 24.2,3.3 24.4,3.5 ; 24.2,3.7 24.4,3.9 ; 24.2,3.7 24.4,3.5 ; 24.2,4.1 24.4,3.9 ; 24.2,4.1 24.4,4.3 ; 24.2,4.5 24.4,4.3 ; 24.2,4.5 24.4,4.7 ; 24.2,5.3 24.4,5.5 ; 24.2,5.3 24.4,5.1 ; 24.2,5.7 24.4,5.5 ; 24.2,5.7 24.4,5.9 ; 24.4,0.7 24.6,0.9 ; 24.4,0.7 24.6,0.5 ; 24.4,1.1 24.6,0.9 ; 24.4,1.1 24.6,1.3 ; 24.4,1.5 24.6,1.7 ; 24.4,1.5 24.6,1.3 ; 24.4,1.9 24.6,2.1 ; 24.4,1.9 24.6,1.7 ; 24.4,2.3 24.6,2.5 ; 24.4,2.3 24.6,2.1 ; 24.4,2.7 24.6,2.9 ; 24.4,2.7 24.6,2.5 ; 24.4,3.1 24.6,3.3 ; 24.4,3.1 24.6,2.9 ; 24.4,3.5 24.6,3.7 ; 24.4,3.5 24.6,3.3 ; 24.4,3.9 24.6,4.1 ; 24.4,3.9 24.6,3.7 ; 24.4,4.3 24.6,4.1 ; 24.4,4.3 24.6,4.5 ; 24.4,4.7 24.6,4.9 24.4,5.1 ; 24.4,4.7 24.2,4.9 24.4,5.1 ; 24.4,4.7 24.6,4.5 ; 24.4,5.1 24.6,5.3 ; 24.4,5.5 24.6,5.3 ; 24.4,5.5 24.6,5.7 ; 24.4,5.9 24.6,5.7 ; 24.4,5.9 24.6,6.1 24.8,5.9 ; 24.6,0.5 24.8,0.7 ; 24.6,0.5 24.8,0.3 25,0.5 ; 24.6,0.9 24.8,1.1 ; 24.6,0.9 24.8,0.7 ; 24.6,1.3 24.8,1.1 ; 24.6,1.3 24.8,1.5 ; 24.6,1.7 24.8,1.9 ; 24.6,1.7 24.8,1.5 ; 24.6,2.1 24.8,2.3 ; 24.6,2.1 24.8,1.9 ; 24.6,2.5 24.8,2.3 ; 24.6,2.5 24.8,2.7 ; 24.6,2.9 24.8,3.1 ; 24.6,2.9 24.8,2.7 ; 24.6,3.3 24.8,3.5 ; 24.6,3.3 24.8,3.1 ; 24.6,3.7 24.8,3.9 ; 24.6,3.7 24.8,3.5 ; 24.6,4.1 24.8,4.3 ; 24.6,4.1 24.8,3.9 ; 24.6,4.5 24.8,4.3 ; 24.6,5.3 24.8,5.5 ; 24.6,5.7 24.8,5.9 ; 24.6,5.7 24.8,5.5 ; 24.8,0.7 25,0.9 ; 24.8,0.7 25,0.5 ; 24.8,1.1 25,0.9 ; 24.8,1.1 25,1.3 ; 24.8,1.5 25,1.7 ; 24.8,1.5 25,1.3 ; 24.8,1.9 25,2.1 ; 24.8,1.9 25,1.7 ; 24.8,2.3 25,2.5 ; 24.8,2.3 25,2.1 ; 24.8,2.7 25,2.5 ; 24.8,2.7 25,2.9 ; 24.8,3.1 25,2.9 ; 24.8,3.1 25,3.3 ; 24.8,3.5 25,3.7 ; 24.8,3.5 25,3.3 ; 24.8,3.9 25,4.1 ; 24.8,3.9 25,3.7 ; 24.8,4.3 25,4.5 25.2,4.3 ; 24.8,4.3 25,4.1 ; 24.8,5.5 25,5.7 ; 24.8,5.5 25,5.3 25.2,5.5 ; 24.8,5.9 25,5.7 ; 24.8,5.9 25,6.1 25.2,5.9 ; 25,0.5 25.2,0.7 ; 25,0.5 25.2,0.3 25.4,0.5 ; 25,0.9 25.2,1.1 ; 25,0.9 25.2,0.7 ; 25,1.3 25.2,1.1 ; 25,1.3 25.2,1.5 ; 25,1.7 25.2,1.9 ; 25,1.7 25.2,1.5 ; 25,2.1 25.2,1.9 ; 25,2.1 25.2,2.3 ; 25,2.5 25.2,2.7 ; 25,2.5 25.2,2.3 ; 25,2.9 25.2,3.1 ; 25,2.9 25.2,2.7 ; 25,3.3 25.2,3.1 ; 25,3.3 25.2,3.5 ; 25,3.7 25.2,3.5 ; 25,3.7 25.2,3.9 ; 25,4.1 25.2,4.3 ; 25,4.1 25.2,3.9 ; 25,5.7 25.2,5.9 ; 25,5.7 25.2,5.5 ; 25.2,0.7 25.4,0.9 ; 25.2,0.7 25.4,0.5 ; 25.2,1.1 25.4,0.9 ; 25.2,1.1 25.4,1.3 ; 25.2,1.5 25.4,1.7 ; 25.2,1.5 25.4,1.3 ; 25.2,1.9 25.4,1.7 ; 25.2,1.9 25.4,2.1 ; 25.2,2.3 25.4,2.1 ; 25.2,2.3 25.4,2.5 ; 25.2,2.7 25.4,2.9 ; 25.2,2.7 25.4,2.5 ; 25.2,3.1 25.4,2.9 ; 25.2,3.1 25.4,3.3 ; 25.2,3.5 25.4,3.7 ; 25.2,3.5 25.4,3.3 ; 25.2,3.9 25.4,4.1 ; 25.2,3.9 25.4,3.7 ; 25.2,4.3 25.4,4.1 ; 25.2,4.3 25.4,4.5 ; 25.2,5.5 25.4,5.7 ; 25.2,5.5 25.4,5.3 ; 25.2,5.9 25.4,5.7 ; 25.2,5.9 25.4,6.1 25.6,5.9 ; 25.4,0.5 25.6,0.3 25.8,0.5 ; 25.4,0.5 25.6,0.7 ; 25.4,0.9 25.6,1.1 ; 25.4,0.9 25.6,0.7 ; 25.4,1.3 25.6,1.1 ; 25.4,1.3 25.6,1.5 ; 25.4,1.7 25.6,1.9 ; 25.4,1.7 25.6,1.5 ; 25.4,2.1 25.6,1.9 ; 25.4,2.1 25.6,2.3 ; 25.4,2.5 25.6,2.3 ; 25.4,2.5 25.6,2.7 ; 25.4,2.9 25.6,3.1 ; 25.4,2.9 25.6,2.7 ; 25.4,3.3 25.6,3.1 ; 25.4,3.3 25.6,3.5